# Allegro board FMDEMOD-Long.brd (continued)
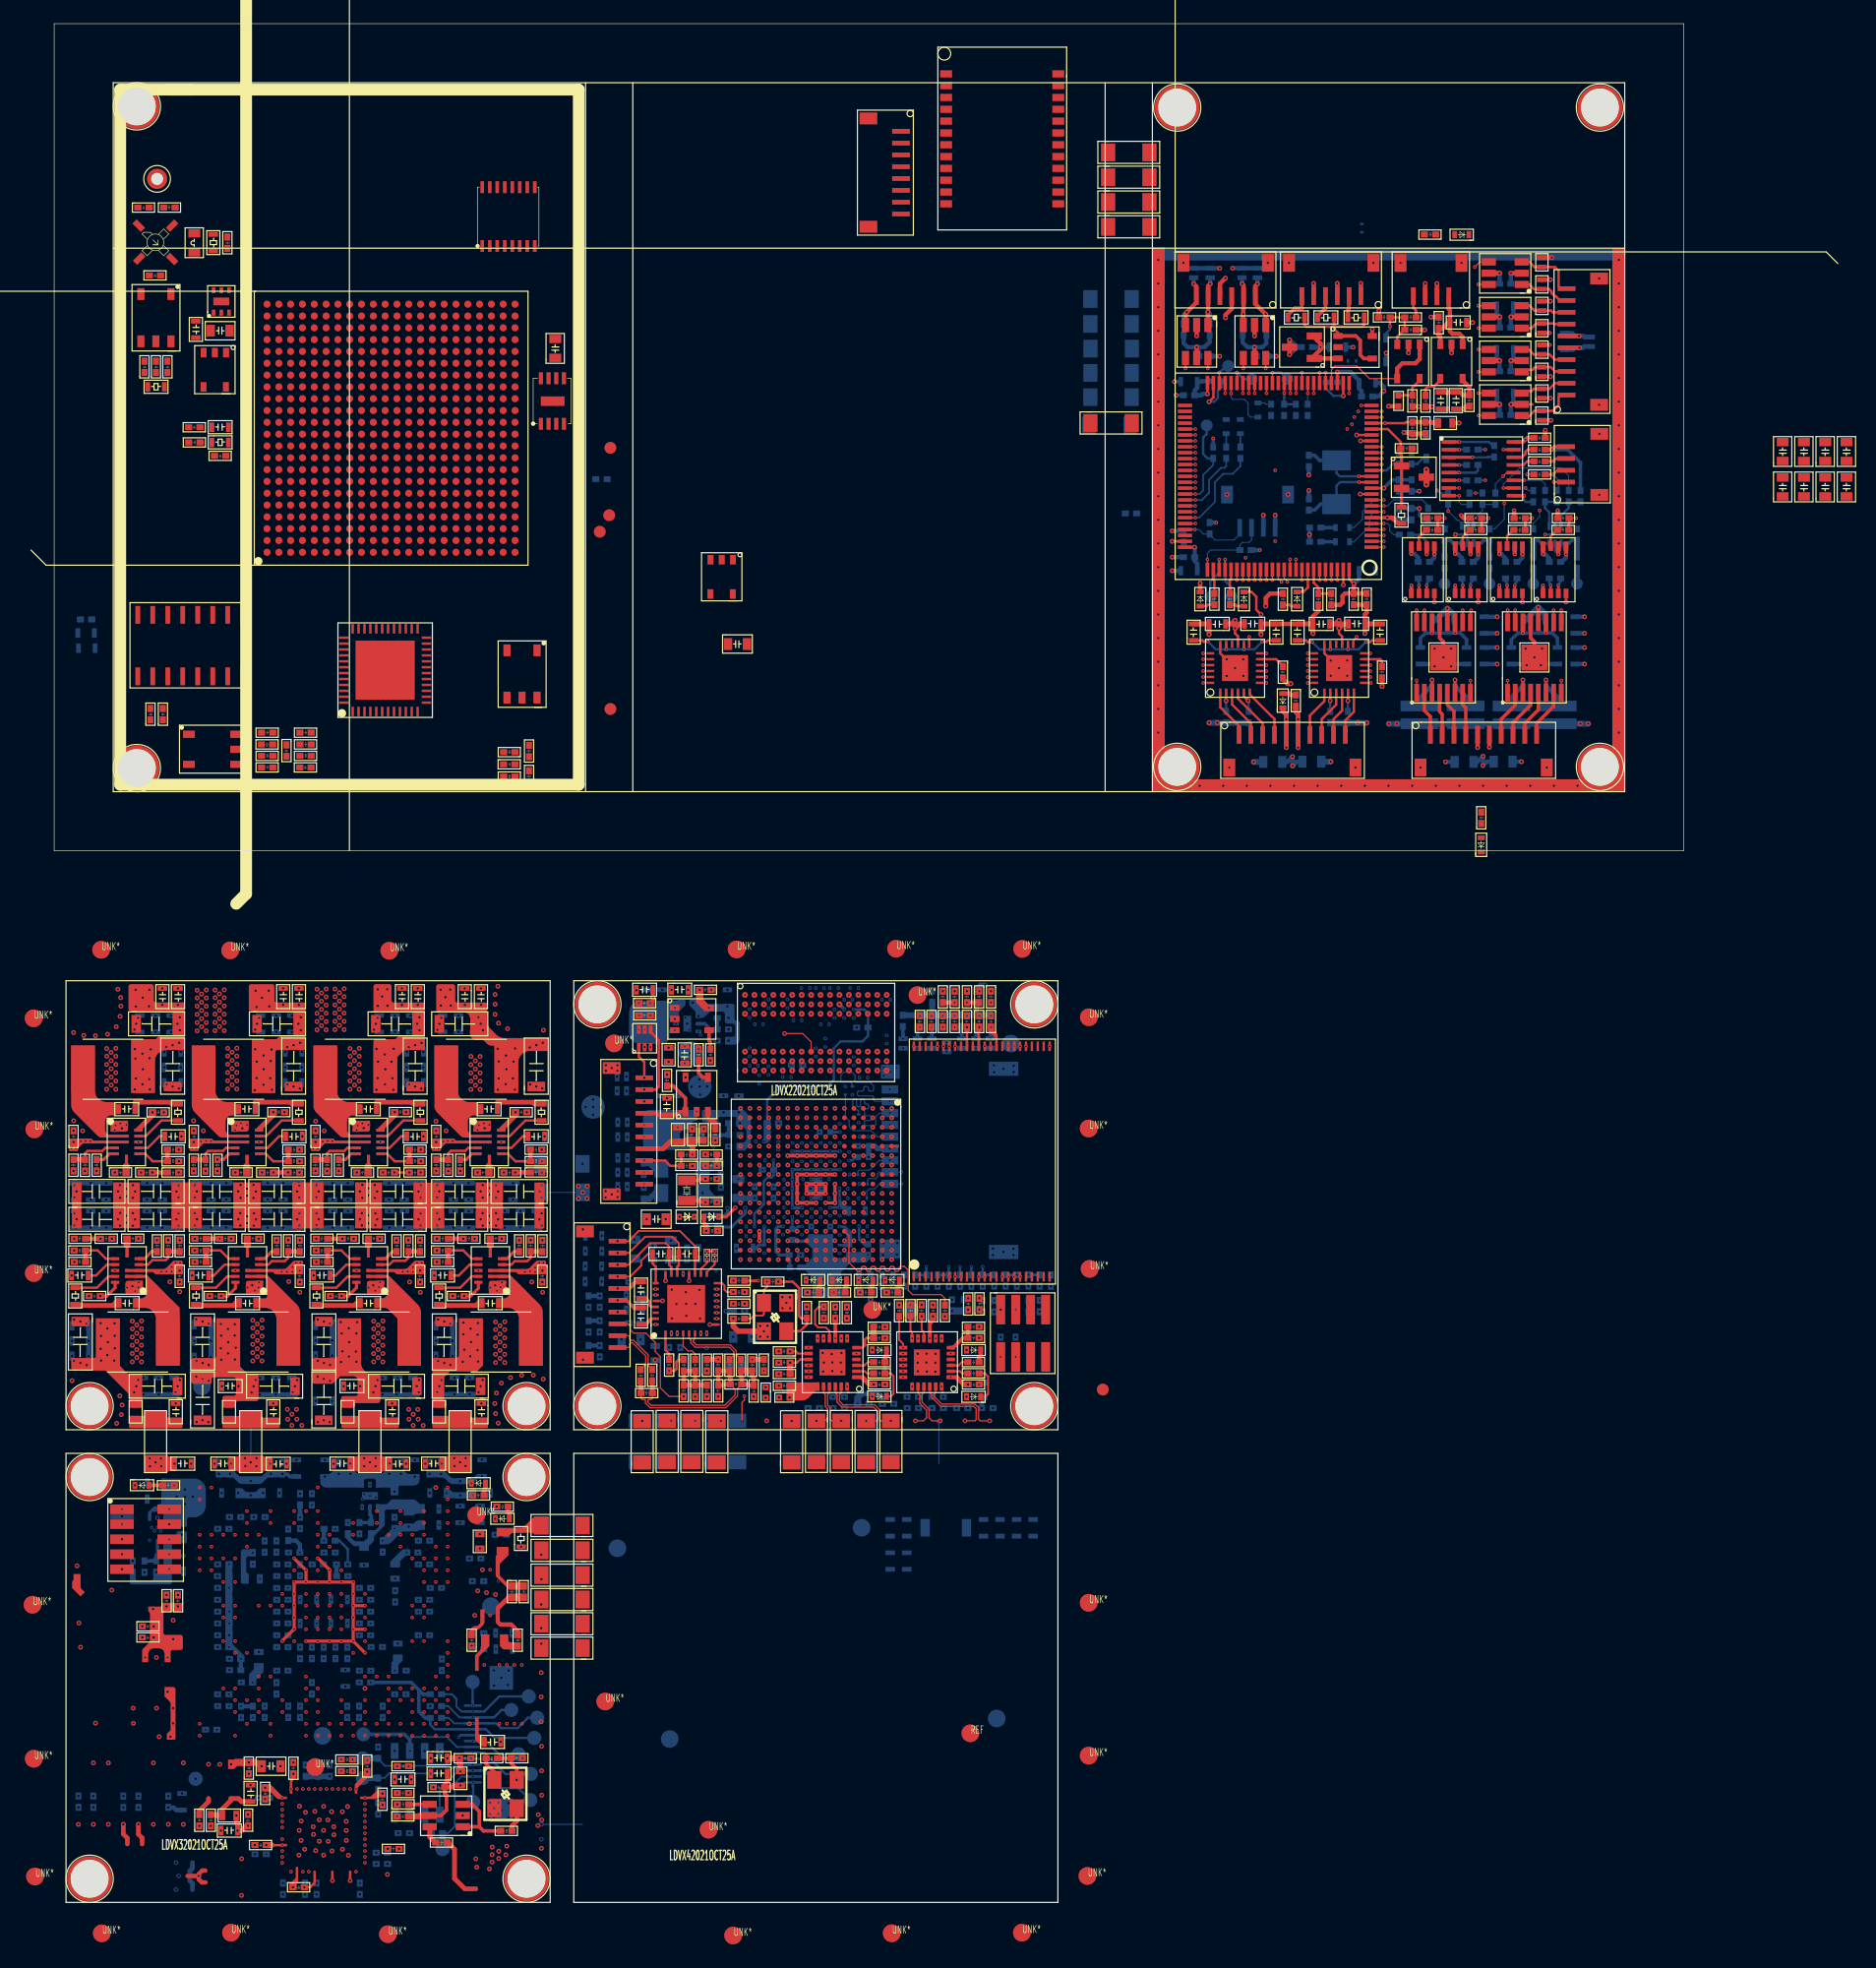
[diagram p0: board, top side]
## Copper pours and planes (outline as drawn; the poured copper is in the pictures) (continued)
2V5_FPGA_PWR on TOP (solid shape): 25.98,-43.3 26.28,-44.01 26.98,-44.3 27.41,-44.3 27.55,-44.36 27.61,-44.5 27.61,-46.54 27.55,-46.69 27.41,-46.74 25.54,-46.74 25.47,-46.77 25.44,-46.84 25.44,-47.03 25.41,-47.1 25.34,-47.13 24.39,-47.13 24.32,-47.1 24.29,-47.03 24.29,-46.35 24.35,-46.21 24.49,-46.15 25.51,-46.15 25.65,-46.09 25.71,-45.95 25.71,-44.78 25.7,-44.71 25.65,-44.64 25.54,-44.52 25.47,-44.48 25.39,-44.46 24.3,-44.46 24.22,-44.48 24.16,-44.52 23.58,-45.1 22.03,-45.1 21.88,-45.04 21.83,-44.9 21.83,-43.14 21.88,-43 22.03,-42.94 23.79,-42.94 23.93,-42.89 23.98,-42.75 23.98,-39.58 25.98,-39.58
3V3_AUDIO on PWR-L6: 51,-39.6 51.31,-39.3 56.6,-39.3 56.64,-39.34 56.64,-41.79 55.96,-42.47 48.67,-42.47 47.58,-43.56 47.58,-44.31 47.36,-44.54 44.57,-44.54 44.57,-40 44.97,-39.6
3V3_FPGA on BOTTOM (solid shape): 15.6,-52.88 15.66,-52.92 15.74,-52.94 17.52,-52.94 17.59,-52.92 17.66,-52.88 18.11,-52.43 19.58,-52.43 19.58,-53.03 18.19,-53.03 18.11,-53.05 18.05,-53.09 17.7,-53.44 17.53,-53.55 17.34,-53.59 15.91,-53.59 15.72,-53.55 15.56,-53.44 15.21,-53.09 15.15,-53.05 15.07,-53.03 13.7,-53.03 13.7,-52.43 15.15,-52.43
3V3_FPGA on PWR-L6: 13.05,-51.17 13.05,-52.89 13.75,-53.59 17.55,-53.59 18.05,-53.09 20.38,-53.09 21.01,-52.46 21.01,-51.61 20.5,-51.09 13.13,-51.09
3V3_FPGA_PWR on TOP (solid shape): 15.74,-43.58 15.76,-43.65 15.8,-43.72 16.28,-44.2 16.35,-44.24 16.42,-44.25 17.09,-44.25 17.23,-44.31 17.29,-44.45 17.29,-46.38 17.23,-46.52 17.09,-46.58 15.56,-46.58 15.42,-46.64 15.37,-46.78 15.37,-46.93 15.31,-47.07 15.16,-47.13 14.45,-47.13 14.31,-47.07 14.25,-46.93 14.25,-46.61 14.25,-46.32 14.31,-46.18 14.45,-46.12 15.2,-46.12 15.35,-46.06 15.4,-45.92 15.4,-44.76 15.35,-44.62 15.2,-44.56 13.51,-44.56 13.37,-44.62 13.31,-44.76 13.31,-45.1 11.81,-45.1 11.67,-45.04 11.61,-44.9 11.61,-43.14 11.67,-43 11.81,-42.94 13.54,-42.94 13.69,-42.89 13.74,-42.75 13.74,-39.58 15.74,-39.58
3V3_IF on PWR-L6: 1.56,-69.99 10.04,-69.99 10.53,-70.48 10.53,-78.59 11.38,-79.44 11.38,-83.4 10.91,-83.87 10.32,-83.87 9.31,-84.88 9.31,-88.46 1.56,-88.46
3V3_MCU on PWR-L6: 44.05,-51.05 84.95,-51.05 84.95,-88.95 44.05,-88.95
5V_AUDIO on PWR-L6: 50.02,-35.16 50.02,-34.31 50.18,-34.16 54.92,-34.16 55.02,-34.25 55.02,-36.54 53.79,-37.76 51.66,-37.76 50.33,-39.09 44.57,-39.09 44.57,-36.07 49.11,-36.07
5V_FPGA on TOP (solid shape): 17.02,-76.85 17.09,-76.87 17.16,-76.91 17.21,-76.97 17.91,-76.97 17.91,-77.97 17.21,-77.97 17.21,-77.65 17.16,-77.51 17.01,-77.45 15.57,-77.45 15.49,-77.47 15.43,-77.51 15.23,-77.71 14.73,-77.71 14.73,-76.91 15.23,-76.91 15.29,-76.87 15.37,-76.85
5V_FPGA on TOP (solid shape): 10.73,-63.65 10.8,-63.68 10.83,-63.75 10.83,-64.16 10.77,-64.3 10.63,-64.36 9.45,-64.36 9.31,-64.42 9.25,-64.56 9.25,-66.17 9.31,-66.31 9.45,-66.37 10.7,-66.37 10.84,-66.43 10.9,-66.57 10.9,-67.43 10.84,-67.57 10.7,-67.63 10.06,-67.63 9.92,-67.69 9.86,-67.83 9.86,-68.67 9.36,-68.67 9.36,-68 9.21,-67.64 8.86,-67.5 8.46,-67.5 8.1,-67.64 7.96,-68 7.96,-68.67 7.46,-68.67 7.46,-67.68 7.47,-67.6 7.52,-67.54 8.06,-66.99 8.11,-66.93 8.12,-66.85 8.12,-64.6 8.11,-64.53 8.06,-64.46 7.97,-64.37 7.97,-63.97 8.98,-63.97 9.05,-63.94 9.08,-63.87 9.08,-63.75 9.11,-63.68 9.18,-63.65
5V_FPGA on BOTTOM (solid shape): 11.04,-57.58 11.19,-57.64 11.24,-57.78 11.24,-58.43 11.19,-58.58 11.04,-58.63 10.17,-58.63 10.03,-58.69 9.97,-58.83 9.97,-61.61 9.97,-61.61 9.97,-61.89 9.91,-62.03 9.77,-62.09 6.6,-62.09 6.46,-62.03 6.4,-61.89 6.4,-60.76 6.9,-60.76 6.9,-61.55 6.96,-61.69 7.1,-61.75 8.19,-61.75 8.33,-61.69 8.39,-61.55 8.39,-60.75 9.04,-60.75 9.18,-60.7 9.24,-60.55 9.24,-58.11 10.16,-58.11 10.31,-58.05 10.36,-57.91 10.36,-57.78 10.42,-57.64 10.56,-57.58
5V_FPGA on PWR-L6 (solid shape): 36.46,-57.06 37.04,-57.64 37.64,-57.64 37.64,-58.14 36.48,-58.14 36.44,-58.1 35.64,-58.1 35.64,-57.45 35.66,-57.43 35.66,-56.65 36.46,-56.65
5V_FPGA on PWR-L6: 13.15,-78.6 17.93,-78.6 18.36,-78.16 18.36,-76.07 18.21,-75.92 12.27,-75.92 11.81,-75.47 11.81,-57.89 11.33,-57.42 9.2,-57.42 8.96,-57.18 6.14,-57.18 4.71,-55.75 1.37,-55.75 1.19,-55.93 1.19,-69.2 1.42,-69.43 10.24,-69.43 10.88,-70.08 10.88,-77.36 11.21,-77.69 12.24,-77.69
5V_FPGA_IN on BOTTOM (solid shape): 11.84,-53.12 12.55,-53.42 12.84,-54.12 12.84,-55.41 12.55,-56.12 11.84,-56.41 11.44,-56.41 11.3,-56.47 11.24,-56.61 11.24,-57.12 11.21,-57.19 11.14,-57.22 10.46,-57.22 10.39,-57.19 10.36,-57.12 10.36,-56.91 10.31,-56.77 10.16,-56.71 9.24,-56.71 9.24,-56.07 9.23,-56.03 9.2,-55.99 9.14,-55.95 9.06,-55.93 8.42,-55.93 8.34,-55.95 8.28,-55.99 8.25,-56.03 8.24,-56.07 8.24,-56.71 7.94,-56.71 7.94,-56.07 7.96,-56 8,-55.93 8.4,-55.53 8.46,-55.49 8.54,-55.47 8.58,-55.47 8.94,-55.33 9.08,-54.97 9.08,-53.12
5V_FPGA_IN on PWR-L6: 12.48,-51.22 12.48,-54.36 12.08,-54.36 11.84,-54.6 11.84,-56.69 11.68,-56.85 9.34,-56.85 9.18,-56.68 6.78,-56.68 5.4,-55.3 5.4,-51.25 5.5,-51.15 12.42,-51.15
5V_FPGA_PWR on TOP (solid shape): 5.55,-43.5 5.56,-43.57 5.61,-43.64 6.16,-44.2 6.23,-44.24 6.3,-44.25 7.25,-44.25 7.39,-44.31 7.45,-44.45 7.45,-47.03 7.42,-47.1 7.34,-47.13 6.45,-47.13 6.38,-47.1 6.35,-47.03 6.35,-46.08 6.34,-46.01 6.29,-45.94 4.4,-44.05 4.34,-44.01 4.26,-44 1.66,-44 1.52,-43.94 1.46,-43.8 1.46,-42.94 3.35,-42.94 3.49,-42.89 3.55,-42.75 3.55,-42.72 3.55,-39.58 5.55,-39.58
5V_MCU on PWR-L6: 80.5,-62.63 84.83,-62.63 84.9,-62.57 84.9,-58.56 84.78,-58.44 70.11,-58.44 69.57,-58.99 69.57,-66.97 68.43,-68.11 68.01,-68.11 68.01,-69.62 68.03,-69.63 68.03,-70.72 68.01,-70.74 68.01,-71.85 67.58,-72.28 66.01,-72.28 65.78,-72.04 65,-72.04 64.46,-71.51 64.46,-69.91 64.18,-69.63 63.28,-69.63 63.2,-69.71 63.2,-71.01 62.95,-71.26 62.95,-71.78 62.79,-71.94 57.31,-71.94 57.28,-71.91 57.28,-69.63 57.2,-69.54 56.54,-69.54 56.42,-69.66 56.42,-73.01 56.69,-73.28 71.36,-73.28 71.69,-72.95 73.33,-72.95 73.4,-72.88 73.55,-72.73 73.55,-72.15 74.09,-71.61 78.25,-71.61 78.96,-70.89 78.96,-68.56 78.35,-67.94 72.14,-67.94 72.13,-67.95 71.44,-67.26 71.44,-62.86 71.96,-62.34 75.12,-62.34 75.44,-62.66 80.17,-62.66 80.2,-62.63 80.49,-62.63
GND on TOP (solid shape): 2.29,-31.94 1.49,-31.94 1.49,-28.08 2.29,-28.08
GND on TOP (solid shape): 41.5,-31.95 40.7,-31.95 40.7,-28.08 41.5,-28.08
GND on TOP (solid shape): 12.48,-31.95 9.95,-31.95 9.95,-28.08 12.48,-28.08
GND on TOP (solid shape): 22.79,-31.95 20.18,-31.95 20.18,-28.08 22.79,-28.08
GND on TOP (solid shape): 33.01,-31.95 30.45,-31.95 30.45,-28.08 33.01,-28.08
GND on TOP (solid shape): 94.05,6.05 131.95,6.05 131.95,50.95 132.95,50.95 132.95,5.05 93.05,5.05 93.05,51.05 94.05,51.05
GND on TOP (solid shape): 6.25,-23.57 6.19,-23.71 6.05,-23.77 4.78,-23.77 4.78,-23.05 4.84,-22.9 4.98,-22.85 6.25,-22.85
GND on TOP (solid shape): 16.45,-23.57 16.4,-23.71 16.25,-23.77 14.99,-23.77 14.99,-23.05 15.05,-22.9 15.19,-22.85 16.45,-22.85
GND on TOP (solid shape): 26.74,-23.57 26.68,-23.71 26.54,-23.77 25.27,-23.77 25.27,-23.05 25.33,-22.9 25.48,-22.85 26.74,-22.85
GND on TOP (solid shape): 36.97,-23.57 36.91,-23.71 36.77,-23.77 35.51,-23.77 35.51,-23.05 35.57,-22.9 35.71,-22.85 36.97,-22.85
GND on BOTTOM (solid shape): 132.95,5.05 93.05,5.05 93.05,6.05 131.95,6.05 131.95,49.95 94.05,49.95 94.05,6.05 93.05,6.05 93.05,50.95 132.95,50.95
GND on GND-L2: 41.85,-51.15 41.85,-88.91 1.06,-88.91 1.06,-51.15
GND on GND-L2: 44.05,-51.14 44.05,-88.74 84.8,-88.74 84.8,-51.14
GND on GND-L2, GND-L5: 84.59,-48.68 84.59,-11.33 44.34,-11.33 44.34,-31.12 46.94,-31.12 48.63,-32.8 48.63,-33.26 49.63,-33.26 49.63,-32.79 50.35,-32.06 54.44,-32.06 54.87,-32.49 56.47,-32.49 56.88,-32.89 56.88,-37.73 57.95,-37.73 58.17,-37.95 58.17,-40.31 58.4,-40.54 58.4,-42.26 58.58,-42.43 59.46,-42.43 59.62,-42.59 59.62,-48.68
GND on GND-L2, GND-L5, GND-L9: 1.05,-11.54 1.2,-11.2 1.54,-11.05 41.46,-11.05 41.81,-11.2 41.95,-11.55 41.95,-48.45 41.8,-48.8 41.45,-48.95 1.55,-48.95 1.2,-48.81 1.05,-48.46
GND on GND-L5: 1.06,-51.05 41.85,-51.05 41.85,-88.91 1.06,-88.91
GND on GND-L5, GND-L9: 44.15,-88.74 84.8,-88.74 84.8,-51.14 44.15,-51.14
GND on GND-L9: 84.59,-48.68 84.59,-11.33 44.34,-11.33 44.34,-31.12 46.94,-31.12 48.63,-32.8 48.63,-33.26 49.63,-33.26 49.63,-32.79 49.63,-32.56 50.34,-31.85 54.36,-31.85 54.99,-32.49 56.47,-32.49 56.88,-32.89 56.88,-37.73 57.95,-37.73 58.17,-37.95 58.17,-40.31 58.4,-40.54 58.4,-42.26 58.58,-42.43 59.46,-42.43 59.62,-42.59 59.62,-48.68
GND on GND-L9: 41.85,-51.15 41.85,-88.91 1.06,-88.91 1.06,-51.15
GNDA on GND-L2: 46.9,-31.86 47.63,-32.59 47.63,-33.61 48.17,-34.15 49.41,-34.15 51.48,-32.08 53.86,-32.08 54.94,-33.16 54.94,-34.26 55.07,-34.39 56.14,-34.39 56.59,-34.84 56.59,-38 57.03,-38.45 57.03,-38.51 57.13,-38.6 57.86,-38.6 57.86,-41.42 58.34,-41.89 58.34,-43.36 59.47,-44.5 59.47,-48.68 44.36,-48.68 44.36,-31.86
GNDA on GND-L5: 46.9,-31.86 47.63,-32.59 47.63,-33.61 48.17,-34.15 50.18,-34.15 51.28,-33.06 51.28,-32.45 54.23,-32.45 54.94,-33.16 54.94,-34.26 55.07,-34.39 56.14,-34.39 56.59,-34.84 56.59,-38 57.03,-38.45 57.03,-38.51 57.13,-38.6 57.86,-38.6 57.86,-40.51 57.95,-40.51 58.24,-40.8 58.24,-42.4 58.52,-42.68 59.38,-42.68 59.47,-42.77 59.47,-48.68 44.36,-48.68 44.36,-31.86
GNDA on GND-L9: 46.9,-31.86 47.63,-32.59 47.63,-33.61 48.17,-34.15 49.52,-34.15 51.43,-32.25 54.03,-32.25 54.94,-33.16 54.94,-34.26 55.07,-34.39 56.14,-34.39 56.59,-34.84 56.59,-38 57.03,-38.45 57.03,-38.51 57.13,-38.6 57.86,-38.6 57.86,-40.51 57.95,-40.51 58.24,-40.8 58.24,-42.4 58.52,-42.68 59.38,-42.68 59.47,-42.77 59.47,-48.68 44.36,-48.68 44.36,-31.86
VBAT_IN on TOP (solid shape): 27.75,-31.95 25.49,-31.95 25.49,-28.08 27.75,-28.08
VBAT_IN on TOP (solid shape): 17.48,-31.94 15.18,-31.94 15.18,-28.08 17.48,-28.08
VBAT_IN on TOP (solid shape): 7.25,-31.94 4.99,-31.94 4.99,-28.08 7.25,-28.08
VBAT_IN on TOP (solid shape): 38,-31.95 35.71,-31.95 35.71,-28.08 38,-28.08
VCCA_2V5 on BOTTOM (solid shape): 31.38,-57.45 30.98,-57.45 30.82,-57.56 30.62,-57.6 29.68,-57.6 29.49,-57.64 29.32,-57.75 28.53,-58.54 28.37,-58.65 28.18,-58.69 27.57,-58.69 27.57,-58.09 27.89,-58.09 28,-57.97 28.57,-57.4 28.57,-57.07 29.42,-57.07 29.5,-57.05 29.56,-57.01 29.62,-56.95 30.42,-56.95 30.57,-56.8 30.73,-56.69 30.93,-56.66 31.38,-56.66
VCCA_2V5 on PWR-L6: 18.44,-68.5 17.94,-69 17.94,-70.83 17.63,-71.14 16.3,-71.14 15.99,-70.83 15.99,-70.13 16.86,-69.25 16.86,-67.5 16.31,-66.95 16.31,-60.69 17.73,-59.27 19.97,-59.27 20.57,-58.67 21.26,-58.67 21.55,-58.96 23.05,-58.96 23.82,-59.72 27.67,-59.72 29.73,-57.65 30.48,-57.65 30.63,-57.5 30.63,-56.83 29.82,-56.83 29.43,-57.22 29.27,-57.22 28.87,-56.82 28.57,-56.82 28.55,-56.84 24.7,-56.84 24.51,-57.04 24.51,-56.77 24.44,-56.7 23.45,-56.7 22.2,-57.95 19.66,-57.95 19.66,-57.95 19.34,-57.95 18.65,-57.27 16.34,-57.27 14.35,-59.26 14.35,-61.04 14.8,-61.5 15.57,-61.5 15.66,-61.59 15.66,-67.38 15.1,-67.95 15.1,-70.01 15.53,-70.44 15.53,-71.12 16.08,-71.67 17.64,-71.67 18.61,-70.71 23.13,-70.71 23.75,-71.33 26.66,-71.33 27.4,-70.59 27.4,-70.31 27.46,-70.31 27.72,-70.05 27.72,-68.8 27.43,-68.5 26.65,-68.5
VCCINT_1V2 on PWR-L6: 32.85,-53.86 35.79,-53.86 35.9,-53.97 35.9,-54.79 35.79,-54.9 35.27,-54.9 34.99,-55.18 34.99,-60.49 33.93,-61.54 30.57,-61.54 29.79,-62.33 29.79,-67.49 29.79,-67.5 29.79,-69.97 29.4,-70.36 28.15,-70.36 28.15,-69.13 27.86,-68.84 27.86,-68.66 27.51,-68.31 18.24,-68.31 18.24,-68.33 17.86,-68.72 16.99,-68.72 16.99,-60.71 18.37,-59.33 19.98,-59.33 20.5,-58.82 21.14,-58.82 21.45,-59.12 22.96,-59.12 23.18,-59.34 23.18,-59.69 23.62,-60.13 27.99,-60.13 28.77,-59.35 28.77,-58.72 28.94,-58.54 28.95,-58.54 29.13,-58.36 29.89,-58.36 30.5,-58.97 30.5,-59.32 29.83,-59.99 29.83,-60.38 30.29,-60.84 32.39,-60.84 33.77,-59.45 33.77,-54.73 33.65,-54.61 32.85,-54.61 32.82,-54.57 32.82,-53.89
VCCIO_3V3 on TOP (solid shape): 18.22,-79 18.3,-79.01 18.36,-79.06 19.36,-80.05 19.71,-80.05 19.71,-80.25 18.91,-80.25 18.31,-79.66 18.25,-79.61 18.17,-79.6 17.61,-79.6 17.61,-79
VCCIO_3V3 on TOP (solid shape): 20.51,-78.42 20.22,-78.71 20.18,-78.77 20.16,-78.85 20.16,-79.8 19.96,-79.8 19.96,-78.51 19.97,-78.47 19.99,-78.44 20.01,-78.42 20.01,-77.82 20.51,-77.82
VCCIO_3V3 on TOP (solid shape): 26.76,-78.16 26.74,-78.23 26.7,-78.3 25.72,-79.28 25.68,-79.34 25.66,-79.42 25.66,-79.8 25.46,-79.8 25.46,-79.09 25.48,-79.01 25.52,-78.94 26.2,-78.27 26.24,-78.2 26.26,-78.12 26.26,-77.64 26.76,-77.64
VCCIO_3V3 on TOP (solid shape): 28.05,-80.09 27.45,-80.09 27.37,-80.11 27.3,-80.15 27.26,-80.19 27.2,-80.24 27.12,-80.25 25.91,-80.25 25.91,-80.05 26.72,-80.05 26.8,-80.04 26.86,-79.99 27.3,-79.55 27.37,-79.51 27.45,-79.49 28.05,-79.49
VCCIO_3V3 on TOP (solid shape): 18.38,-83.89 18.46,-83.91 18.52,-83.95 18.56,-83.99 18.63,-84.04 18.7,-84.05 19.71,-84.05 19.71,-84.25 18.69,-84.25 18.61,-84.27 18.55,-84.31 18.52,-84.34 18.46,-84.38 18.38,-84.39 17.65,-84.39 17.65,-83.89
VCCIO_3V3 on BOTTOM (solid shape): 15.11,-67.14 16.1,-68.13 16.1,-68.63 15.5,-68.63 15.5,-68.12 15.49,-68.04 15.45,-67.98 15.16,-67.7 15.1,-67.65 15.02,-67.64 14.5,-67.64 14.5,-60.14 15.11,-60.14
VCCIO_3V3 on SIGNAL-L4: 23.84,-56.59 23.84,-62.26 31.58,-62.26 31.92,-61.93 31.92,-57.04 30.96,-56.08 24.35,-56.08
VCCIO_3V3 on PWR-L6: outline of 107 points within 11.96,-88.89 40.67,-53.45
VDD_ARM_CAP on BOTTOM (solid shape): 66.61,-29.52 66.63,-29.59 66.67,-29.66 67.03,-30.02 67.1,-30.06 67.17,-30.08 67.49,-30.08 67.49,-30.88 67.09,-30.88 67.09,-30.8 67.08,-30.73 67.03,-30.66 66.72,-30.35 66.66,-30.31 66.58,-30.29 65.57,-30.29 65.57,-30.09 66.22,-30.09 66.36,-30.03 66.42,-29.89 66.42,-28.45 66.61,-28.45
VDD_ARM_CAP on PWR-L6: 66.14,-27.89 66.07,-27.89 65.88,-28.08 65.88,-29.55 65.85,-29.58 65.06,-29.58 64.93,-29.7 64.93,-30.67 65,-30.74 66.51,-30.74 66.68,-30.91 67.87,-30.91 67.97,-30.81 67.97,-28.21 67.63,-27.88 66.14,-27.88
VDD_SNVS_3V3 on TOP (solid shape): 54.97,-12.58 55.44,-13.05 55.85,-13.05 55.85,-13.55 55.05,-13.55 54.37,-12.86 54.37,-11.52 54.37,-11.52 54.97,-11.52
VDD_SOC_CAP on BOTTOM (solid shape): 66.67,-27.08 62.67,-27.08 62.6,-27.15 62.6,-30.05 62.65,-30.09 63.47,-30.09 63.47,-30.29 63.17,-30.29 63.12,-30.35 62.4,-30.35 62.4,-27.17 62.37,-27.14 62.37,-26.89 66.67,-26.89
VDD_SOC_CAP on PWR-L6: 62.22,-26.49 66.8,-26.49 67.04,-26.73 67.04,-27.55 66.83,-27.76 65.84,-27.76 65.64,-27.56 63.37,-27.56 63.16,-27.77 63.16,-28.23 63.02,-28.37 62.4,-28.37 62.06,-28.03 62.06,-26.65
VDD_SOC_IN on BOTTOM (solid shape): 65.02,-27.87 65.04,-27.94 65.08,-28.01 65.25,-28.17 65.29,-28.24 65.31,-28.31 65.31,-28.88 65.29,-28.96 65.25,-29.02 65.08,-29.19 65.04,-29.25 65.02,-29.33 65.02,-29.55 64,-29.55 64,-29.25 64.23,-29.25 64.3,-29.23 64.37,-29.19 64.65,-28.91 64.69,-28.84 64.71,-28.77 64.71,-28.43 64.69,-28.36 64.65,-28.29 64.36,-28.01 64.3,-27.96 64.22,-27.95 64,-27.95 64,-27.65 65.02,-27.65
VDD_SOC_IN on BOTTOM (solid shape): 58.99,-22.54 58.99,-24.87 58.49,-25.37 57.88,-25.37 57.81,-25.34 57.78,-25.27 57.78,-24.79 57.81,-24.72 57.88,-24.69 58.39,-24.69 58.6,-24.47 58.6,-23.61 58.4,-23.4 57.86,-23.4 57.77,-23.31 57.77,-22.58 57.7,-22.52 56.35,-22.52 56.26,-22.62 56.26,-23.4 56.05,-23.6 55.37,-23.6 55.37,-23.19 55.31,-23.05 55.17,-22.99 55.06,-22.99 54.92,-22.93 54.86,-22.79 54.86,-22.03 54.89,-21.96 54.96,-21.93 58.38,-21.93
VDD_SOC_IN on PWR-L6: 58.28,-21.72 58.52,-21.96 58.52,-23.58 59.15,-23.58 59.55,-23.97 59.55,-23.97 59.73,-24.16 59.73,-25.13 60.12,-25.52 60.12,-26.36 60.85,-27.09 60.87,-27.09 61.21,-27.43 61.21,-27.87 61.97,-28.62 62.09,-28.62 62.25,-28.78 63.17,-28.78 63.29,-28.66 63.29,-28.47 63.34,-28.42 63.34,-27.86 63.45,-27.74 65.55,-27.74 65.81,-28 65.81,-29.19 65.59,-29.42 61.28,-29.42 60.31,-28.45 58.05,-28.45 57.3,-27.69 57.3,-24.52 56.92,-24.14 54.66,-24.14 54.47,-23.94 54.47,-22.06 54.81,-21.72
VDDA_ADC_3P3 on PWR-L6: 62.64,-34.37 62.65,-34.37 63.03,-34.75 63.69,-34.75 63.77,-34.66 63.77,-33.61 63.56,-33.39 63.56,-31.35 62.89,-30.67 61.99,-30.67 61.74,-30.92 61.74,-31.42 62.47,-32.15 62.47,-34.2
ADC_3V3 on PWR-L6: 17.37,-85.59 17.7,-85.92 22.96,-85.92 22.98,-85.91 25.6,-85.91 25.8,-85.7 25.8,-84.44 25.88,-84.37 26.94,-84.37 26.95,-84.38 27.7,-83.63 29.36,-83.63 30.2,-84.47 30.2,-88.46 9.73,-88.46 9.73,-85.03 10.64,-84.12 11.37,-84.12 11.88,-83.6 11.88,-79.84 12.46,-79.27 17,-79.27 17.37,-79.64
AUDIO_5V on PWR-L6: 34.75,-74.34 34.75,-61.66 35.12,-61.3 35.12,-58.79 35.46,-58.45 40.65,-58.45 40.65,-74.45 40.58,-74.53 34.94,-74.53
DCDC_3V3 on TOP (solid shape): 77.55,-15.23 77.46,-15.32 77.42,-15.39 77.4,-15.46 77.4,-16.95 77.2,-16.95 77.2,-15.46 77.18,-15.39 77.14,-15.32 77.05,-15.23 77.05,-14.63 77.55,-14.63
DCDC_3V3 on TOP (solid shape): 78.58,-15.23 78.46,-15.35 78.42,-15.42 78.4,-15.49 78.4,-16.95 78.2,-16.95 78.2,-15.43 78.18,-15.36 78.14,-15.29 78.08,-15.23 78.08,-14.63 78.58,-14.63
DCDC_3V3 on TOP (solid shape): 79.58,-15.23 79.84,-15.49 79.88,-15.55 79.9,-15.63 79.9,-16.95 79.7,-16.95 79.7,-15.93 79.68,-15.85 79.64,-15.79 79.08,-15.23 79.08,-14.63 79.58,-14.63
DCDC_3V3 on BOTTOM (solid shape): 65.97,-34.28 66.14,-34.45 66.87,-34.45 67.07,-34.25 67.07,-33.95 69.17,-33.95 69.17,-34.45 68.77,-34.86 67.45,-34.86 66.64,-35.67 66.64,-37.67 66.58,-37.82 66.44,-37.88 64.4,-37.88 64.25,-37.82 64.2,-37.67 64.2,-36.12 63.6,-35.52 62.95,-35.52 62.95,-35.02 63.6,-35.02 64.2,-34.42 64.2,-33.69 63.68,-33.18 62.26,-33.18 62.26,-32.68 62.76,-32.68 62.99,-32.92 63.58,-32.92 63.86,-32.64 63.86,-32.45 65.97,-32.45
DCDC_3V3 on PWR-L6: 59.34,-45.86 59.44,-45.76 60.43,-45.76 60.5,-45.7 60.5,-45.18 60.33,-45.01 59.62,-45.01 59.34,-44.74 59.34,-42.36 63.45,-38.25 68.41,-38.25 68.45,-38.29 70.2,-38.29 71.17,-37.33 74.28,-37.33 75.46,-38.51 75.46,-39.49 75.64,-39.67 78.81,-39.67 80.28,-41.15 80.28,-44.58 80.35,-44.65 84.42,-44.65 84.42,-15.61 84.05,-15.24 81.88,-15.24 80.79,-14.15 80.79,-12 80.36,-11.58 72.11,-11.58 71.63,-12.06 71.63,-19.03 67.84,-22.82 64.94,-22.82 64.22,-23.53 64.22,-24.49 64.43,-24.69 66.89,-24.69 67.04,-24.84 67.04,-26.52 68.68,-28.16 68.68,-31.63 68.01,-32.3 63.86,-32.3 63.71,-32.45 63.71,-33.21 63.95,-33.45 63.95,-34.74 63.87,-34.82 62.19,-34.82 60.76,-33.4 60.76,-32.5 58.94,-30.68 57.44,-30.68 57.07,-30.32 57.07,-25.17 56.53,-24.64 55,-24.64 54.55,-25.09 54.55,-29.98 53.5,-31.03 53.5,-32.49 55.08,-34.08 55.08,-38.04 55.99,-38.95 56.86,-38.95 56.86,-41.19 56.84,-41.21 56.84,-42.76 56.94,-42.86 52.12,-42.86 51.87,-42.61 49.24,-42.61 47.83,-44.03 47.83,-45.36 48.31,-45.84 48.31,-48.3 48.46,-48.45 59.34,-48.45
DCDC_3V3_PWR on TOP (solid shape): 18.45,-11.29 18.59,-11.35 18.65,-11.49 18.65,-12.65 18.7,-12.79 18.85,-12.85 21.18,-12.85 21.25,-12.88 21.28,-12.95 21.28,-16.75 21.25,-16.82 21.18,-16.85 18.93,-16.85 18.79,-16.91 18.73,-17.05 18.73,-20.49 16.73,-20.49 16.73,-16.04 16.76,-15.97 16.84,-15.94 18.79,-15.94 18.83,-15.93 18.87,-15.91 19.04,-15.73 19.07,-15.71 19.11,-15.7 20.17,-15.7 20.24,-15.67 20.27,-15.6 20.27,-13.68 20.24,-13.61 20.17,-13.58 16.68,-13.58 16.54,-13.53 16.48,-13.38 16.48,-11.49 16.54,-11.35 16.68,-11.29
DCDC_5V on PWR-L6: 44.05,-11.05 52.38,-11.05 53.53,-12.2 53.53,-13.75 53.9,-14.13 53.9,-15.9 54.33,-16.32 55.11,-16.32 55.98,-17.18 55.98,-20.08 53.37,-22.69 53.37,-29.51 52.36,-30.51 52.36,-32.8 52.36,-32.8 52.36,-33.86 52.21,-34.02 50.12,-34.02 49.84,-34.3 49.84,-35.03 48.98,-35.88 45.25,-35.88 44.05,-34.68
DRAM_1V35 on BOTTOM (solid shape): 54.71,-12.91 54.77,-12.95 54.85,-12.97 57.6,-12.97 57.6,-14.19 57.66,-14.33 57.8,-14.39 57.87,-14.39 58.01,-14.45 58.07,-14.59 58.07,-15.92 57.92,-16.27 57.57,-16.42 56.91,-16.42 56.84,-16.39 56.81,-16.31 56.81,-15.84 56.84,-15.77 56.91,-15.74 57.46,-15.74 57.6,-15.68 57.66,-15.54 57.66,-14.84 57.6,-14.7 57.46,-14.64 57,-14.64 56.86,-14.58 56.8,-14.44 56.8,-13.81 56.74,-13.67 56.6,-13.61 55.6,-13.61 55.53,-13.62 55.46,-13.67 55.05,-14.08 54.99,-14.12 54.91,-14.14 54.31,-14.14 54.31,-13.7 54.29,-13.62 54.25,-13.56 53.79,-13.1 53.79,-12.6 54.39,-12.6
DRAM_1V35 on PWR-L6: 70.93,-11.58 70.93,-18.49 68.17,-21.24 68.14,-21.24 66.71,-22.68 64.91,-22.68 64.6,-22.98 63.87,-22.98 63.87,-24.4 63.74,-24.52 63.74,-24.57 64.02,-24.84 66.74,-24.84 66.86,-24.97 66.86,-25.79 66.64,-26 61.91,-26 61.86,-25.96 61.86,-24.56 58.52,-21.22 57.03,-21.22 56.64,-20.82 56.64,-17.66 55.19,-16.22 54.48,-16.22 54.17,-15.91 54.17,-13.89 53.78,-13.5 53.78,-11.58